# Altium PCB TransceiverBoard.PcbDoc (part 1 of 2)
Units mm, origin at the board's own origin, x right, y up, seen from the top; angles counter-clockwise.
Board outline 34 x 75.5 mm, 4 copper layers (Top Layer, Layer 2, Layer 1, Bottom Layer), stack 1.587 mm thick; 121 components, 81 nets, 431 pads, 226 vias.
Unrouted connection lines stored in the file: 2.
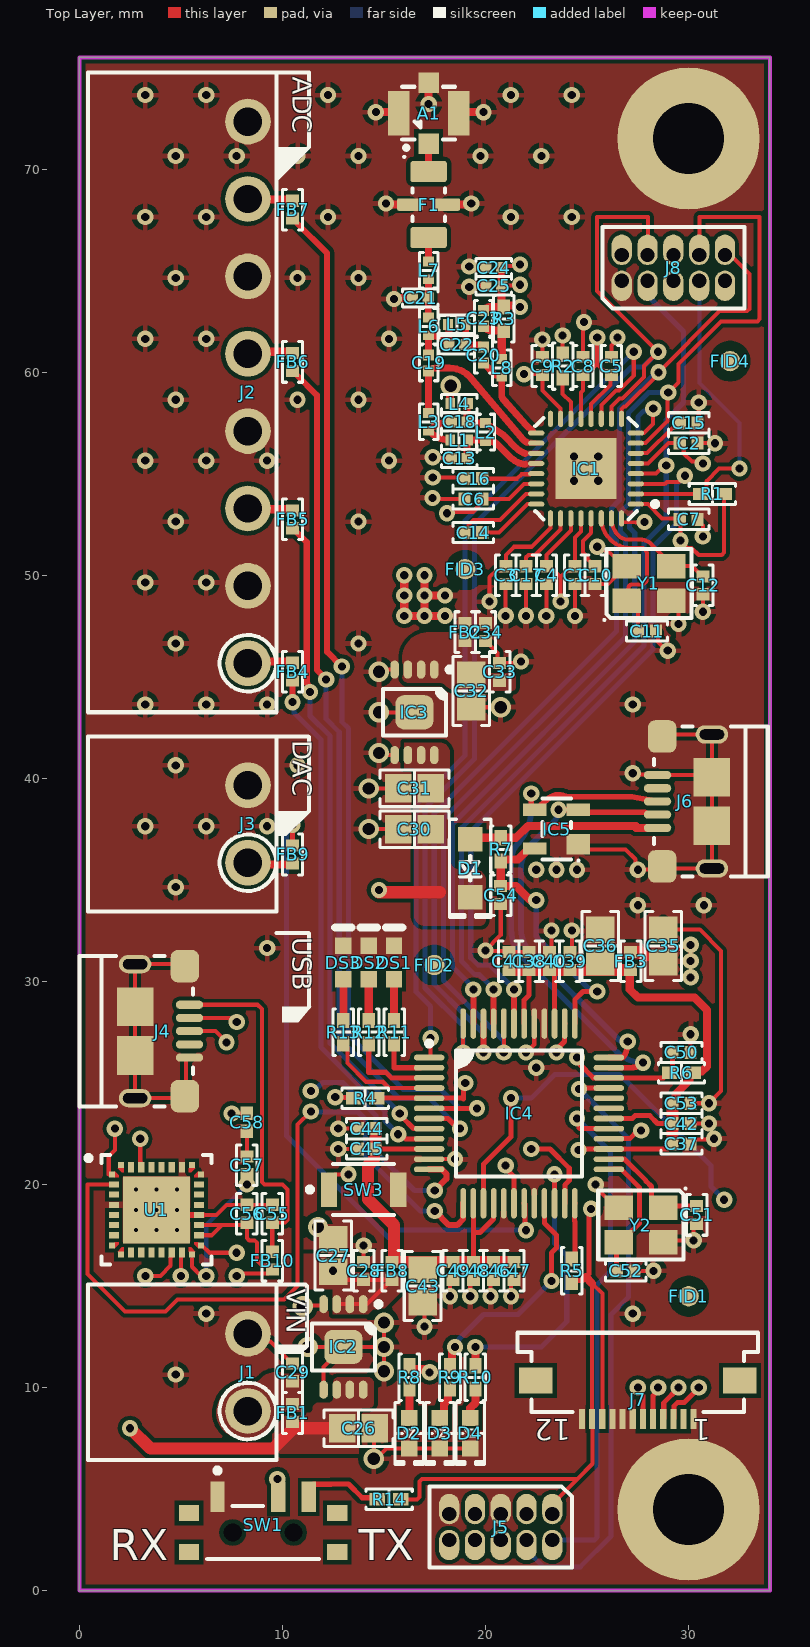
[diagram p0: Top Layer view]
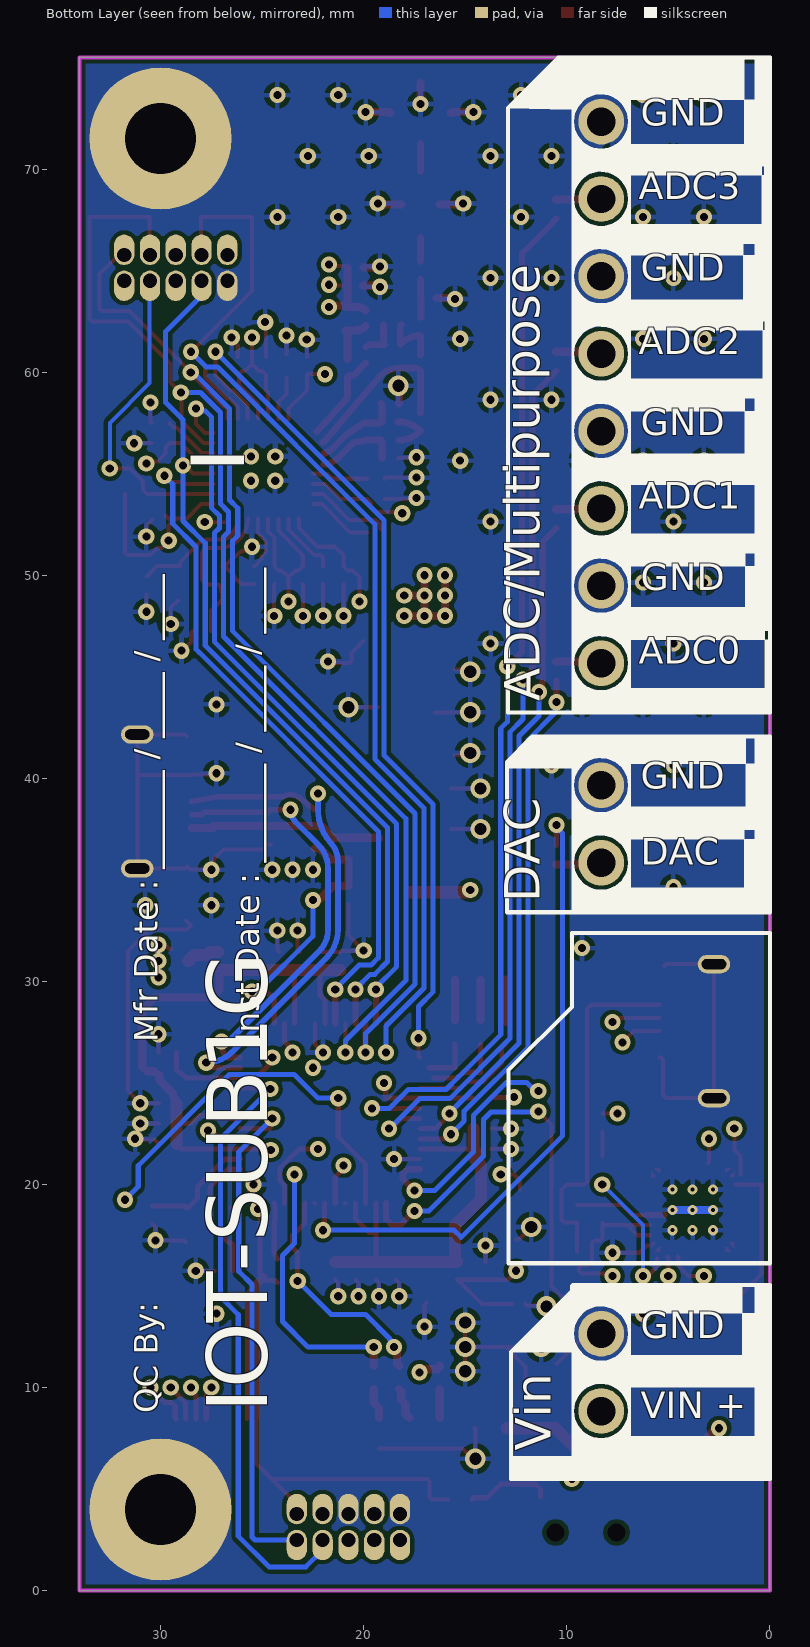
[diagram p1: Bottom Layer view, seen from below]
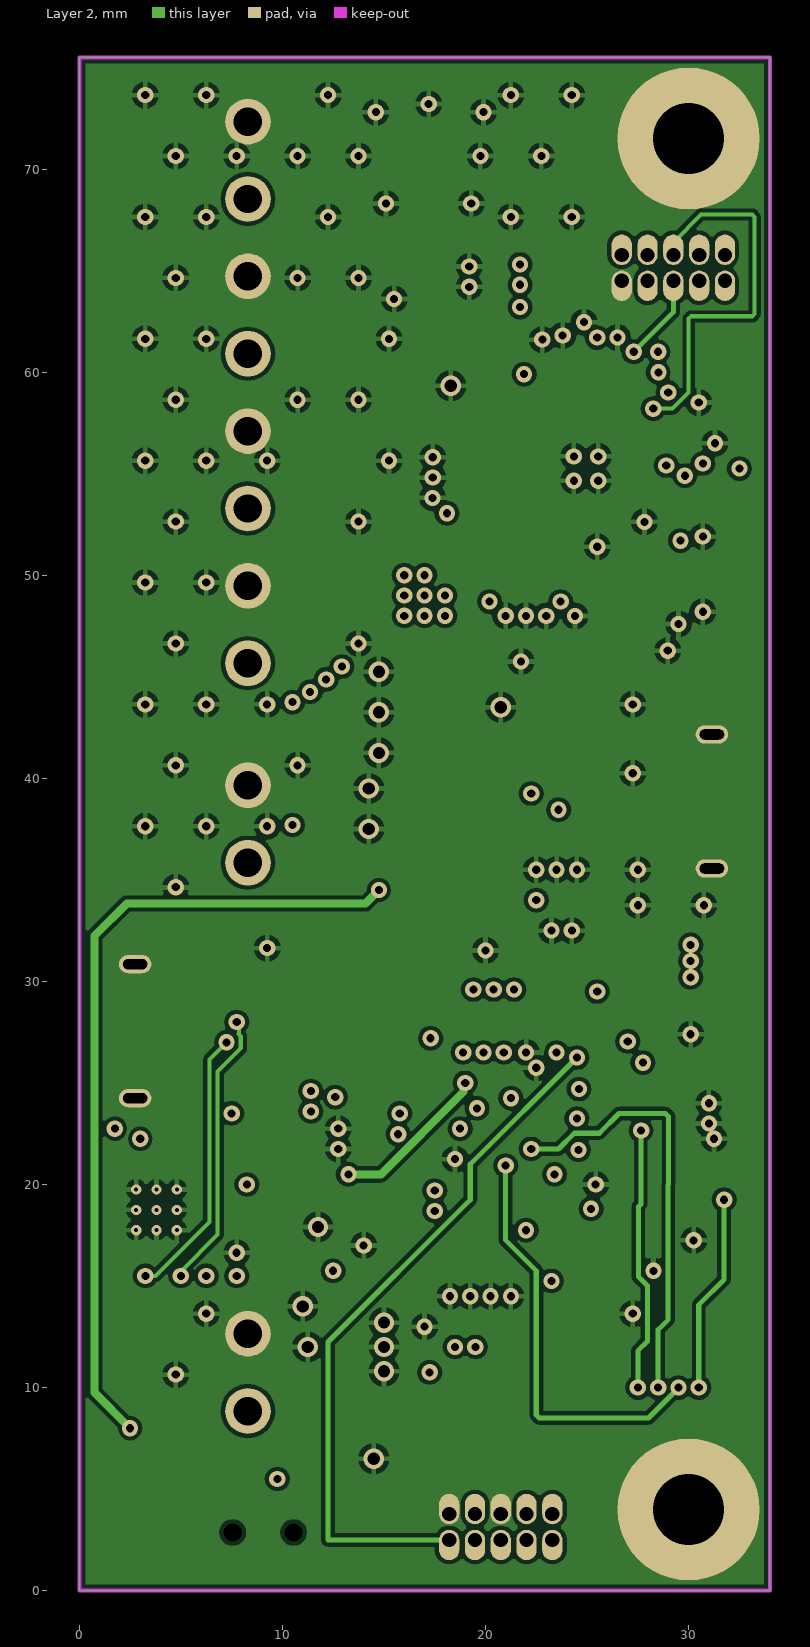
[diagram p2: Layer 2]
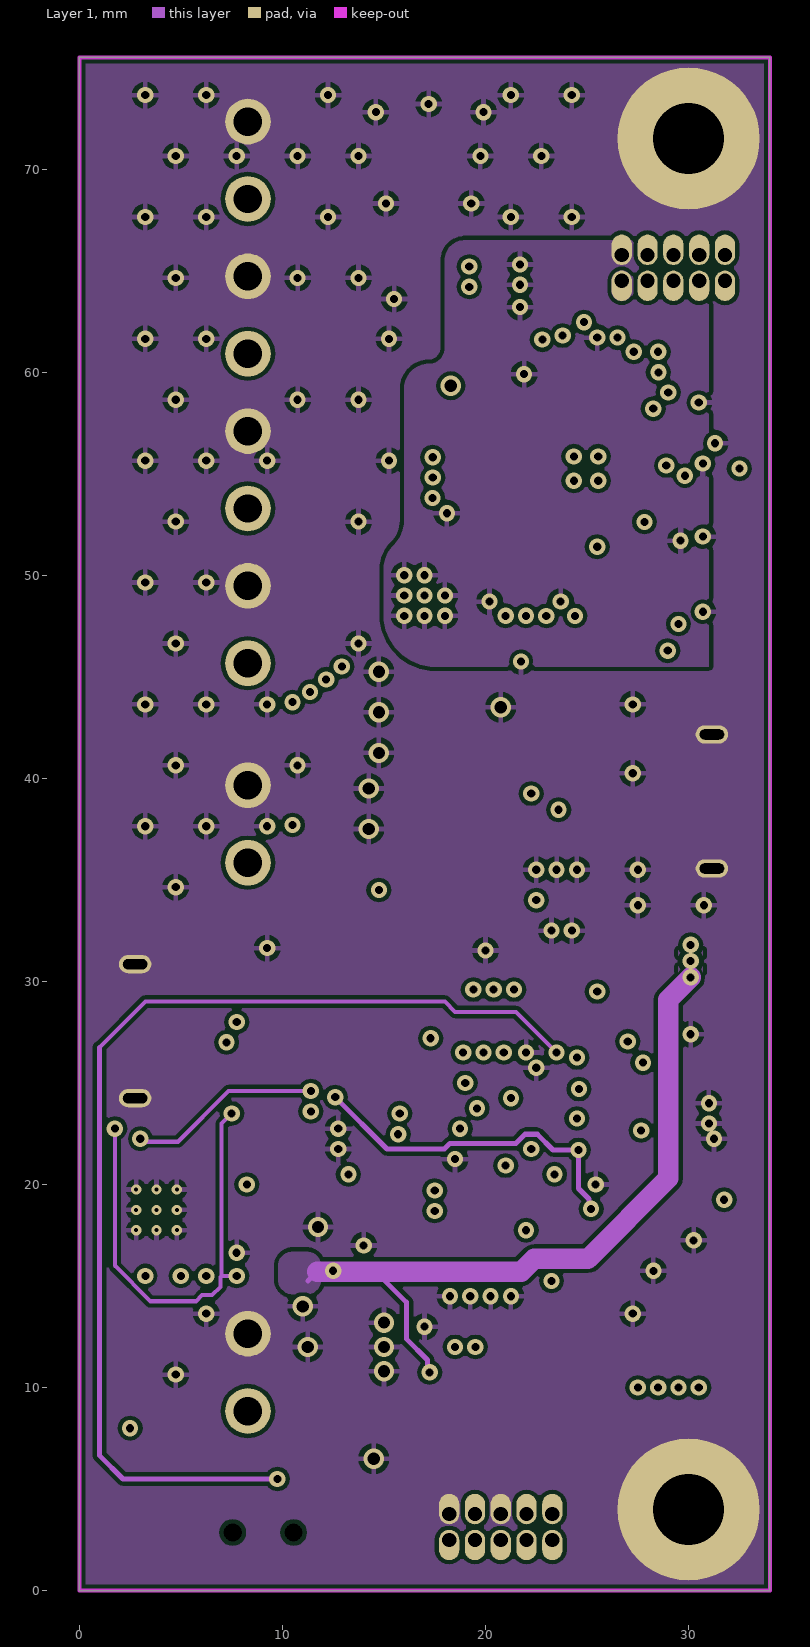
[diagram p3: Layer 1]
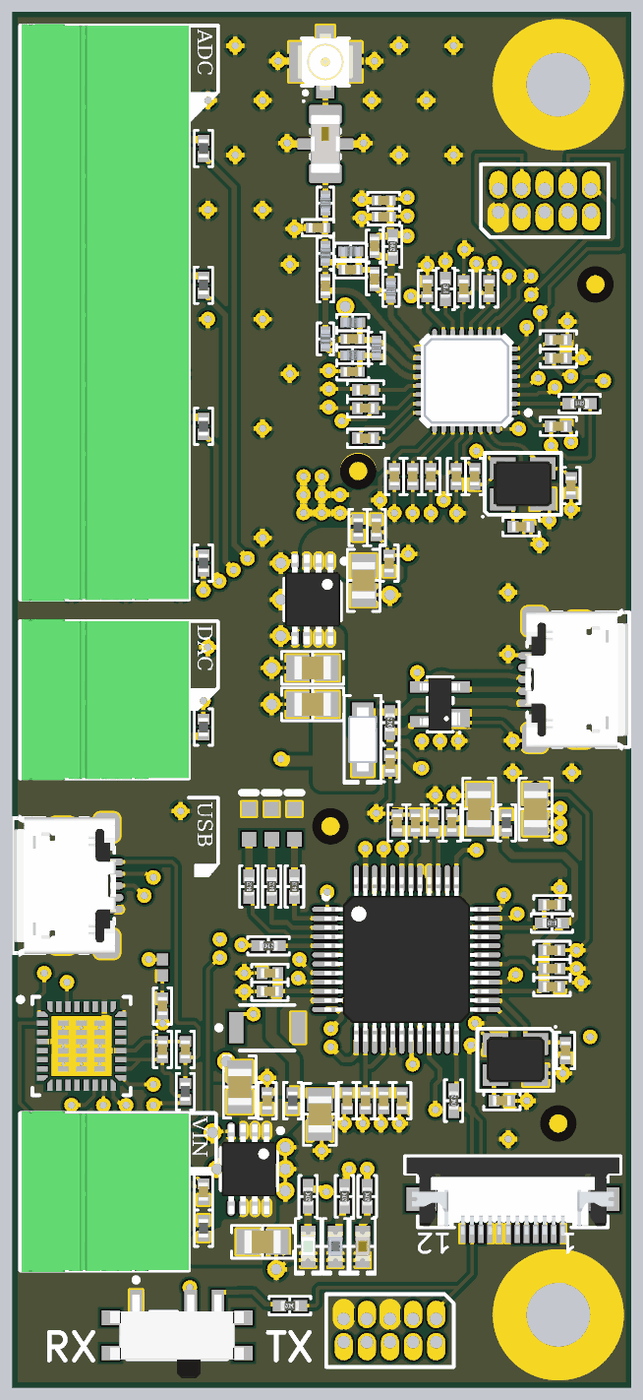
[diagram p5: 3D render of the assembled board from above, using the file's embedded part models]

## Layer stack, top to bottom
Top Solder: solder mask 0.0127, Solder Resist, Dk 3.8
Top Layer: signal copper 0.035
Dielectric 1: prepreg 0.2, PP-006, Dk 4.6
Layer 2: signal copper 0.035
Dielectric1: core 1.065, FR-4, Dk 4.8
Layer 1: signal copper 0.0175
Dielectric 2: prepreg 0.2, PP-006, Dk 4.6
Bottom Layer: signal copper 0.035
Bottom Solder: solder mask 0.0127, Solder Resist, Dk 3.8

## Board outline
0.002,0 0,75.5 34,75.5 34,75.25 34,0

## Design rules (kind name [scope] priority, off if disabled: settings)
Clearance PadClearance [IsPad vs IsPad] p1: gap=0.2 ignorepadtopadclearanceinfootprint=FALSE except(0: Arc-Hole Track-Hole SMDPad-Hole THPad-Hole Via-Hole Fill-Hole Poly-Hole Region-Hole Text-Hole)
Clearance [All] p2: gap=0.2 ignorepadtopadclearanceinfootprint=FALSE except(0: Arc-Hole Track-Hole SMDPad-Hole THPad-Hole Via-Hole Fill-Hole Poly-Hole Region-Hole Text-Hole)
DiffPairsRouting "DiffPairs LNA" [InDifferentialPair('LNA')] p1: maxlimit=0.254 minlimit=0.2 mostfreqgap=0.254 toplayer_maxgap=0.2 toplayer_prefgap=0.2 toplayer_minwidth=0.335 toplayer_maxwidth=0.335 toplayer_prefwidth=0.335 midlayer1_maxgap=0.2 midlayer1_prefgap=0.2 midlayer1_minwidth=0.606 midlayer1_maxwidth=0.606 midlayer1_prefwidth=0.606 midlayer2_mingap=0.254 midlayer2_minwidth=0.381 midlayer2_maxwidth=0.381 midlayer2_prefwidth=0.381 bottomlayer_maxgap=0.2 bottomlayer_prefgap=0.2 bottomlayer_minwidth=0.335 bottomlayer_maxwidth=0.825 bottomlayer_prefwidth=0.825 maxuncoupledlength=12.7
DiffPairsRouting "DiffPairs USB" [InDifferentialPair('USBD')] p2: maxlimit=0.254 minlimit=0.127 mostfreqgap=0.254 toplayer_mingap=0.2 toplayer_maxgap=0.2 toplayer_prefgap=0.2 toplayer_minwidth=0.278 toplayer_maxwidth=0.825 toplayer_prefwidth=0.278 midlayer1_maxgap=0.2 midlayer1_prefgap=0.2 midlayer1_minwidth=0.178 midlayer1_maxwidth=0.606 midlayer1_prefwidth=0.182 bottomlayer_mingap=0.2 bottomlayer_maxgap=0.2 bottomlayer_prefgap=0.2 bottomlayer_minwidth=0.284 bottomlayer_maxwidth=0.825 bottomlayer_prefwidth=0.284 impedanceprofiledriven=TRUE impedanceprofileid={966B3392-000C-4430-8802-33C250DE2C8B} impedanceprofilevalue=90.000000 maxuncoupledlength=12.7
HoleSize [All] p1: absolutevalues=TRUE maxlimit=6 minlimit=0.4 maxpercent=80.000 minpercent=20.000
HoleToHoleClearance [All] p1: gap=0.2 allowstackedmicrovias=TRUE
MinimumSolderMaskSliver [All] p1: minsoldermaskwidth=0
PolygonConnect ViaConnect [IsVia] p1: connectstyle=Relief reliefconductorwidth=0.254 reliefentries=4 polygonreliefangle="90 Angle" airgapwidth=0.254
PolygonConnect [All] p2: connectstyle=Direct reliefconductorwidth=0.3 reliefentries=4 polygonreliefangle="90 Angle" airgapwidth=0.254
RoutingVias [All] p1: holewidth=0.6 width=1 viastyle="Through Hole" minholewidth=0.4 minwidth=0.8 maxholewidth=5 maxwidth=6
SilkToSilkClearance [All] p1: silktosilkclearance=0
SilkToSolderMaskClearance SilkscreenOverComponentPads [IsPad] p1: minsilkscreentomaskgap=0.05 clearancetoexposedcopper=TRUE
SolderMaskExpansion "Via Tenting" [IsVia] p1: expansion=-2
SolderMaskExpansion [All] p2: expansion=0.102
Width "RF Impedance" [InNetClass('RF')] p1: maxlimit=0.335 minlimit=0.254 preferedwidth=0.254 toplayer_minwidth=0.33 toplayer_prefwidth=0.33 impedanceprofiledriven=TRUE impedanceprofileid={E6122DD3-421A-48CC-877E-6B1F2D11767C} impedanceprofilevalue=50.000000 minimp=50.000000 maximp=50.000000 favimp=50.000000
Width [All] p2: maxlimit=2 minlimit=0.2 preferedwidth=0.4
24 further rules are at their usual default settings.

## Classes and differential pairs
component class UART-FTDI-USB: C55 C56 C57 C58 FB10 J4 U1
net class RF: BALUN_OUT NetA1_S NetC19_1 NetC20_2 NetC21_2 NetF1_3 PA TRX_SW
component class "RF Module": A1 C1 C2 C3 C4 C5 C6 C7 C8 C9 C10 C11 C12 C13 C14 C15 C16 C17 C18 C19 C20 C21 C22 C23 C24 C25 F1 IC1 J8 L1 L2 L3 L4 L5 L6 L7 L8 R1 R2 R3 Y1
component class Power: C26 C27 C28 C29 C30 C31 C32 C33 C34 FB1 FB2 IC2 IC3 J1
component class Microcontroller: C35 C36 C37 C38 C39 C40 C41 C42 C43 C44 C45 C46 C47 C48 C49 C50 C51 C52 C53 C54 D1 D2 D3 D4 DS1 DS2 DS3 FB3 FB4 FB5 FB6 FB7 FB8 FB9 FID1 FID2 FID3 FID4 IC4 IC5 J2 J3 J5 J6 J7 R4 R5 R6 R7 R8 R9 R10 R11 R12 R13 R14 SW1 SW3 Y2
differential pair USBD: +USBD_P -USBD_N
differential pair LNA: +LNA_P -LNA_N

## Components (designator, comment, footprint, x,y, rotation, side; value= is the part's Value field where it differs from the comment)
A1 "0734120110" "MOLEX SD-734120110" 17.2,72.75 r0 top
C1 "47nF" "CAP 0402/1005" 24.4,50 r90 top
C2 "47nF" "CAP 0402/1005" 30,56.5 r180 top
C3 "47nF" "CAP 0402/1005" 21,50 r90 top
C4 "47nF" "CAP 0402/1005" 23,50 r90 top
C5 "47nF" "CAP 0402/1005" 26.2,60.3 r270 top
C6 "47nF" "CAP 0402/1005" 19.4,53.75 r0 top
C7 "47nF" "CAP 0402/1005" 30,52.75 r180 top
C8 "47nF" "CAP 0402/1005" 24.8,60.3 r270 top
C9 "47nF" "CAP 0402/1005" 22.8,60.3 r270 top
C10 "47nF" "CAP 0402/1005" 25.4,50 r90 top
C11 "10pF" "CAP 0402/1005" 27.95,47.25 r180 top
C12 "10pF" "CAP 0402/1005" 30.7,49.5 r90 top
C13 "5.1pF" "CAP 0402/1005 RF" 18.7,55.75 r180 top
C14 "1.8nF" "CAP 0402/1005" 19.4,52.1 r180 top
C15 "220nF" "CAP 0402/1005" 30,57.5 r180 top
C16 "10nF" "CAP 0402/1005" 19.4,54.75 r0 top
C17 "47nF" "CAP 0402/1005" 22,50 r90 top
C18 "5.1pF" "CAP 0402/1005 RF" 18.7,57.55 r180 top
C19 "5.1pF" "CAP 0402/1005 RF" 17.2,60.45 r270 top
C20 "39pF" "CAP 0402/1005 RF" 19.9,60.84 r90 top
C21 "6.2pF" "CAP 0402/1005 RF" 16.79,63.65 r0 top
C22 "2.2pF" "CAP 0402/1005 RF" 18.59,61.35 r0 top
C23 "56pF" "CAP 0402/1005 RF" 19.9,62.65 r270 top
C24 "10nF" "CAP 0402/1005 RF" 20.4,65.15 r0 top
C25 "100pF" "CAP 0402/1005 RF" 20.41,64.25 r0 top
C26 "10uF" "CAP 0805/2012" 13.75,8 r180 top
C27 "10uF" "CAP 0805/2012" 12.5,16.5 r270 top
C28 "100nF" "CAP 0402/1005" 14,15.75 r270 top
C29 "100nF" "CAP 0402/1005" 10.5,10.75 r270 top
C30 "10uF" "CAP 0805/2012" 16.5,37.5 r0 top
C31 "10uF" "CAP 0805/2012" 16.5,39.5 r0 top
C32 "10uF" "CAP 0805/2012" 19.3,44.3 r90 top
C33 "100nF" "CAP 0402/1005" 20.7,45.24 r270 top
C34 "100nF" "CAP 0402/1005" 20,47.2 r90 top
C35 "10uF" "CAP 0805/2012" 28.75,31.75 r270 top
C36 "10uF" "CAP 0805/2012" 25.65,31.75 r270 top
C37 "100nF" "CAP 0402/1005" 29.65,22 r180 top
C38 "10nF" "CAP 0402/1005" 22.15,31 r270 top
C39 "100nF" "CAP 0402/1005" 24.15,31 r270 top
C40 "10nF" "CAP 0402/1005" 23.15,31 r270 top
C41 "100nF" "CAP 0402/1005" 21.15,31 r270 top
C42 "10nF" "CAP 0402/1005" 29.65,23 r180 top
C43 "10uF" "CAP 0805/2012" 16.9,15 r90 top
C44 "100nF" "CAP 0402/1005" 14.15,22.75 r0 top
C45 "10nF" "CAP 0402/1005" 14.15,21.75 r0 top
C46 "100nF" "CAP 0402/1005" 20.4,15.75 r90 top
C47 "10nF" "CAP 0402/1005" 21.4,15.75 r90 top
C48 "100nF" "CAP 0402/1005" 19.4,15.75 r90 top
C49 "10nF" "CAP 0402/1005" 18.4,15.75 r90 top
C50 "100nF" "CAP 0402/1005" 29.65,26.5 r180 top
C51 "18pF" "CAP 0402/1005" 30.4,18.5 r90 top
C52 "18pF" "CAP 0402/1005" 26.9,15.75 r180 top
C53 "100nF" "CAP 0402/1005" 29.65,24 r180 top
C54 "100nF" "CAP 0402/1005" 20.75,34.25 r90 top
C55 "10nF" "CAP 0402/1005" 9.5,18.56 r270 top
C56 "100nF" "CAP 0402/1005" 8.25,18.56 r270 top
C57 "100nF" "CAP 0402/1005" 8.25,20.94 r270 top
C58 "GRM155R60J475ME47D" CAPC1005X55X25NL05T10 8.25,23.06 r90 top
D1 "MBR1020VL" SOD123F 19.25,35.57 r270 top
D2 "Green" "LED 0603/1608 GREEN" 16.25,7.75 r270 top
D3 "Blue" "LED 0603/1608 BLUE" 17.75,7.75 r270 top
D4 "Red" "LED 0603/1608 RED" 19.25,7.75 r270 top
DS1 "SML-310VTT86" ROHM-SML-31X_V 15.5,30.925 r90 top
DS2 "SML-310VTT86" ROHM-SML-31X_V 14.25,30.925 r90 top
DS3 "SML-310VTT86" ROHM-SML-31X_V 13,30.925 r90 top
F1 "LFCN-490+" "PCB - RF FILTER - MINICIRCUITS FV1206" 17.2,68.25 r270 top
FB1 "BLM15AX102SN1D" "FER 0402/1005" 10.5,8.75 r90 top
FB2 "BLM15AX102SN1D" "FER 0402/1005" 19,47.2 r270 top
FB3 "BLM15AX102SN1D" "FER 0402/1005" 27.15,31 r90 top
FB4 "BLM15AX102SN1D" "FER 0402/1005" 10.5,45.25 r270 top
FB5 "BLM15AX102SN1D" "FER 0402/1005" 10.5,52.75 r270 top
FB6 "BLM15AX102SN1D" "FER 0402/1005" 10.5,60.5 r270 top
FB7 "BLM15AX102SN1D" "FER 0402/1005" 10.5,68 r270 top
FB8 "BLM15AX102SN1D" "FER 0402/1005" 15.4,15.75 r270 top
FB9 "BLM15AX102SN1D" "FER 0402/1005" 10.5,36.25 r90 top
FB10 "BLM15AX102SN1D" "FER 0402/1005" 9.5,16.25 r90 top
FID1 "Fiducial" Fiducial#1 30,14.5 r180 top
FID2 "Fiducial" Fiducial#2 17.5,30.75 r180 top
FID3 "Fiducial" Fiducial#1 19,50.3 r180 top
FID4 "Fiducial" Fiducial#1 32.038,60.542 r180 top
IC1 "CC1125" "PCB - LEADLESS - QFN - TI PVQFN-32 5X5MM RHB" 24.95,55.25 r180 top
IC2 "LT1965EMS8E-3.3#PBF" "LT MSOP-8 MS8E 3x3MM" 13,12 r270 top
IC3 "LT1965EMS8E-3.3#PBF" "LT MSOP-8 MS8E 3x3MM" 16.5,43.25 r270 top
IC4 "NXP LPC154x LQFP48" "NXP LQFP-48 7x7mm" 21.65,23.5 r0 top
IC5 "PRTR5V0U2X" SOT143B 23.5,37.5 r180 top
J1 "2 Pin" "FCI 06-381-2PIN" 5,10.75 r90 top
J2 "8 Pin" "FCI 06-381-8PIN" 5,59 r90 top
J3 "2 Pin" "FCI 06-381-2PIN" 5,37.75 r90 top
J4 "USB Micro" "FCI USB 10118193-0001LF" 2.8,27.55 r90 top
J5 "SWD" "10 Pin SWD" 20.75,3.135 r270 top
J6 "USB Micro" "FCI USB 10118193-0001LF" 31.096,38.86 r270 top
J7 "687112183722" 687112183722 27.5,10.75 r180 top
J8 "SWD for CC1125 debugging" "10 Pin SWD" 29.25,65.135 r90 top
L1 "27nH" "IND 0402/1005 RF WW" 18.7,56.65 r180 top
L2 "56nH" "IND 0402/1005 RF WW" 20,57.05 r90 top
L3 "15nH" "IND 0402/1005 RF WW" 17.2,57.55 r90 top
L4 "27nH" "IND 0402/1005 RF WW" 18.7,58.45 r180 top
L5 "15nH" "IND 0402/1005 RF WW" 18.59,62.35 r180 top
L6 "43nH" "IND 0402/1005 RF WW" 17.2,62.25 r90 top
L7 "22nH" "IND 0402/1005 RF WW" 17.2,65.01 r90 top
L8 "56nH" "IND 0402/1005 RF WW" 20.8,60.21 r90 top
R1 "10kR" "RES 0402/1005" 31.175,54 r0 top
R2 "56kR" "RES 0402/1005" 23.8,60.3 r90 top
R3 "18R" "RES 0402/1005" 20.9,62.625 r270 top
R4 "10kR" "RES 0402/1005" 14.075,24.25 r0 top
R5 "10kR" "RES 0402/1005" 24.25,15.75 r90 top
R6 "10kR" "RES 0402/1005" 29.65,25.5 r180 top
R7 "68R" "RES 0402/1005" 20.75,36.5 r90 top
R8 "47R" "RES 0402/1005" 16.25,10.5 r270 top
R9 "150R" "RES 0402/1005" 18.25,10.5 r270 top
R10 "120R" "RES 0402/1005" 19.5,10.5 r270 top
R11 "120R" "RES 0402/1005" 15.5,27.5 r90 top
R12 "120R" "RES 0402/1005" 14.25,27.5 r90 top
R13 "120R" "RES 0402/1005" 13,27.5 r90 top
R14 "10kR" "RES 0402/1005" 15.25,4.5 r180 top
SW1 "PCM12SMTR" CKCP-PCM12SMTR_V 9.05,2.865 r0 top
SW3 "B3U-1000P" OMRON-B3U-1000_V 14,19.75 r0 top
U1 "FT232RQ-Reel" PQFN5X5-32_V 3.8,18.75 r0 top
Y1 "32MHz" "ABRACON ABM8G" 28.05,49.6 r0 top
Y2 "12MHz" "ABRACON ABM8G" 27.65,18 r180 top

## Footprints (in the part's own frame and the unit in brackets; to place one, negate y for a bottom-side part, rotate by r counter-clockwise, add the part's x,y. Pads: shape width x height; smd on the part's side, far side on the other; paste and mask are expansions set on the pad)
"10 Pin SWD" [mm]
  oval 1.5x1 hole 0.7 copper offset -0.25,0: 1(-0.635,2.54) 3(-0.635,1.27) 5(-0.635,0) 7(-0.635,-1.27) 9(-0.635,-2.54)
  oval 1.5x1 hole 0.7 copper offset 0.25,0: 2(0.635,2.54) 4(0.635,1.27) 6(0.635,0) 8(0.635,-1.27) 10(0.635,-2.54)
  silkscreen extent -2,-3.5 2,3.5
687112183722 [mm] "ZIF Connectors, Horizontal, Bottom Contact Low Profile, pitch 0.5mm, 12p"
  rect 0.3x1 smd: 1(-2.75,2.3) 2(-2.25,2.3) 3(-1.75,2.3) 4(-1.25,2.3) 5(-0.75,2.3) 6(-0.25,2.3) 7(0.25,2.3) 8(0.75,2.3) 9(1.25,2.3) 10(1.75,2.3) 11(2.25,2.3) 12(2.75,2.3)
  rect 1.65x1.3 smd: MP1(-5.025,0.4) MP2(5.025,0.4)
  silkscreen extent -5.92,-1.95 5.93,1.95, body extent -5.85,-1.9 5.85,2.35, height 1.28
"ABRACON ABM8G" [mm] "Crystal, 4-Leads, Body 2.50x3.20mm, Pitch 2.20mm, IPC Medium Density"
  rect 1.4x1.2 smd: 1(-1.1,-0.85) 2(1.1,-0.85) 3(1.1,0.85) 4(-1.1,0.85)
  silkscreen extent -2.25,-1.85 2.1,1.7, body extent -1.61,-1.26 1.61,1.26, height 0.6
"CAP 0402/1005" [mm] "Chip Capacitor, 2-Leads, Body 1.02x0.51mm, IPC Medium Density"
  rect 0.6x0.64 smd: 1(-0.44,0) 2(0.44,0)
  silkscreen extent -1,-0.5 1,0.5, body extent -0.5,-0.26 0.5,0.26, height 0.52
"CAP 0402/1005 RF" [mm] "Chip Capacitor, 2-Leads, Body 1.02x0.51mm, IPC High Density"
  rect 0.55x0.54 smd: 1(-0.39,0) 2(0.39,0)
  silkscreen extent -0.88,-0.45 0.87,0.45, body extent -0.5,-0.26 0.5,0.26, height 0.52
"CAP 0805/2012" [mm] "Chip Capacitor, 2-Leads, Body 2.00x1.20mm, IPC Medium Density"
  rect 1.3x1.4 smd: 1(-0.8,0) 2(0.8,0)
  silkscreen extent -1.7,-0.9 1.7,0.9, body extent -1,-0.64 1,0.64, height 1.26
CAPC1005X55X25NL05T10 [mm] "Chip Capacitor, 2-Leads, Body 1.00x0.50mm, IPC Medium Density"
  rect 0.66x0.62 smd: 1(-0.44,0) 2(0.44,0)
  body extent -0.53,-0.28 0.53,0.27, height 0.55
CKCP-PCM12SMTR_V [mm] "SMD, 3-Leads, Body 6.7x2.6mm"
  rect 0.7x1.5 smd: 1(-2.25,1.75) 2(0.75,1.75) 3(2.25,1.75)
  round 0.6 hole 0.9 unplated: MH1(-1.5,0) MH2(1.5,0)
  rect 1x0.8 smd: MP1(-3.65,0.965) MP2(3.65,0.965) MP3(-3.65,-0.965) MP4(3.65,-0.965)
  silkscreen extent -2.75,-1.3 2.75,3.17, body extent -3.68,-2.34 3.67,2.23, height 1.4
"FCI 06-381-2PIN" [mm] "FCI Pluggable Terminal Block"
  round 2.25 hole 1.4: 1(-1.905,-3.302) 2(1.905,-3.302)
  silkscreen extent -4.32,-4.7 4.32,4.57, body extent -4.4,-4.7 4.4,4.5, height 7.6
"FCI 06-381-8PIN" [mm] "FCI Pluggable Terminal Block"
  round 2.25 hole 1.4: 1(-13.335,-3.302) 2(-9.525,-3.302) 3(-5.715,-3.302) 4(-1.905,-3.302) 5(1.905,-3.302) 6(5.715,-3.302) 7(9.525,-3.302) 8(13.335,-3.302)
  silkscreen extent -15.75,-4.7 15.75,4.57, body extent -15.83,-4.7 15.83,4.5, height 7.6
"FCI USB 10118193-0001LF" [mm] "USB 2.0 Type B Micro"
  oval 0.4x1.35 smd: 1(1.3,-2.625) 2(0.65,-2.625) 3(0,-2.625) 4(-0.65,-2.625) 5(-1.3,-2.625)
  oval 0.9x1.6 hole 0.5 slot 1.2 at 90 deg: S(-3.3,0.05) S(3.3,0.05)
  rrect50% 1.6x1.4 smd: S(-3.2,-2.4) S(3.2,-2.4)
  rect 1.9x1.8 smd: S(-1.2,0.05) S(1.2,0.05)
  silkscreen extent -3.7,-2.8 3.7,2.8, body extent -3.93,-2.9 3.93,2.76, height 2.78
"FER 0402/1005" [mm] "Chip Ferrite, 2-Leads, Body 1.02x0.51mm, IPC Medium Density"
  rect 0.6x0.64 smd: 1(-0.44,0) 2(0.44,0)
  silkscreen extent -1,-0.5 1,0.5, body extent -0.5,-0.26 0.5,0.26, height 0.52
Fiducial#1 [mm]
  round 1 smd paste-1 mask+0.5: F(0,0)
Fiducial#2 [mm]
  round 1 smd paste-1 mask+0.5: F(0.019,-0.055)
"IND 0402/1005 RF WW" [mm] "Chip Inductor, 2-Leads, Body 1.00x0.50mm, IPC High Density"
  rect 0.48x0.54 smd: 1(-0.44,0) 2(0.44,0)
  silkscreen extent -0.88,-0.45 0.87,0.45, body extent -0.5,-0.29 0.5,0.29, height 0.51
"LED 0603/1608 BLUE" [mm] "Chip Diode, 2-Leads, Body 1.60x0.80mm, IPC Medium Density"